# KiCad board LI-ION_Charger.kicad_pcb (continued)
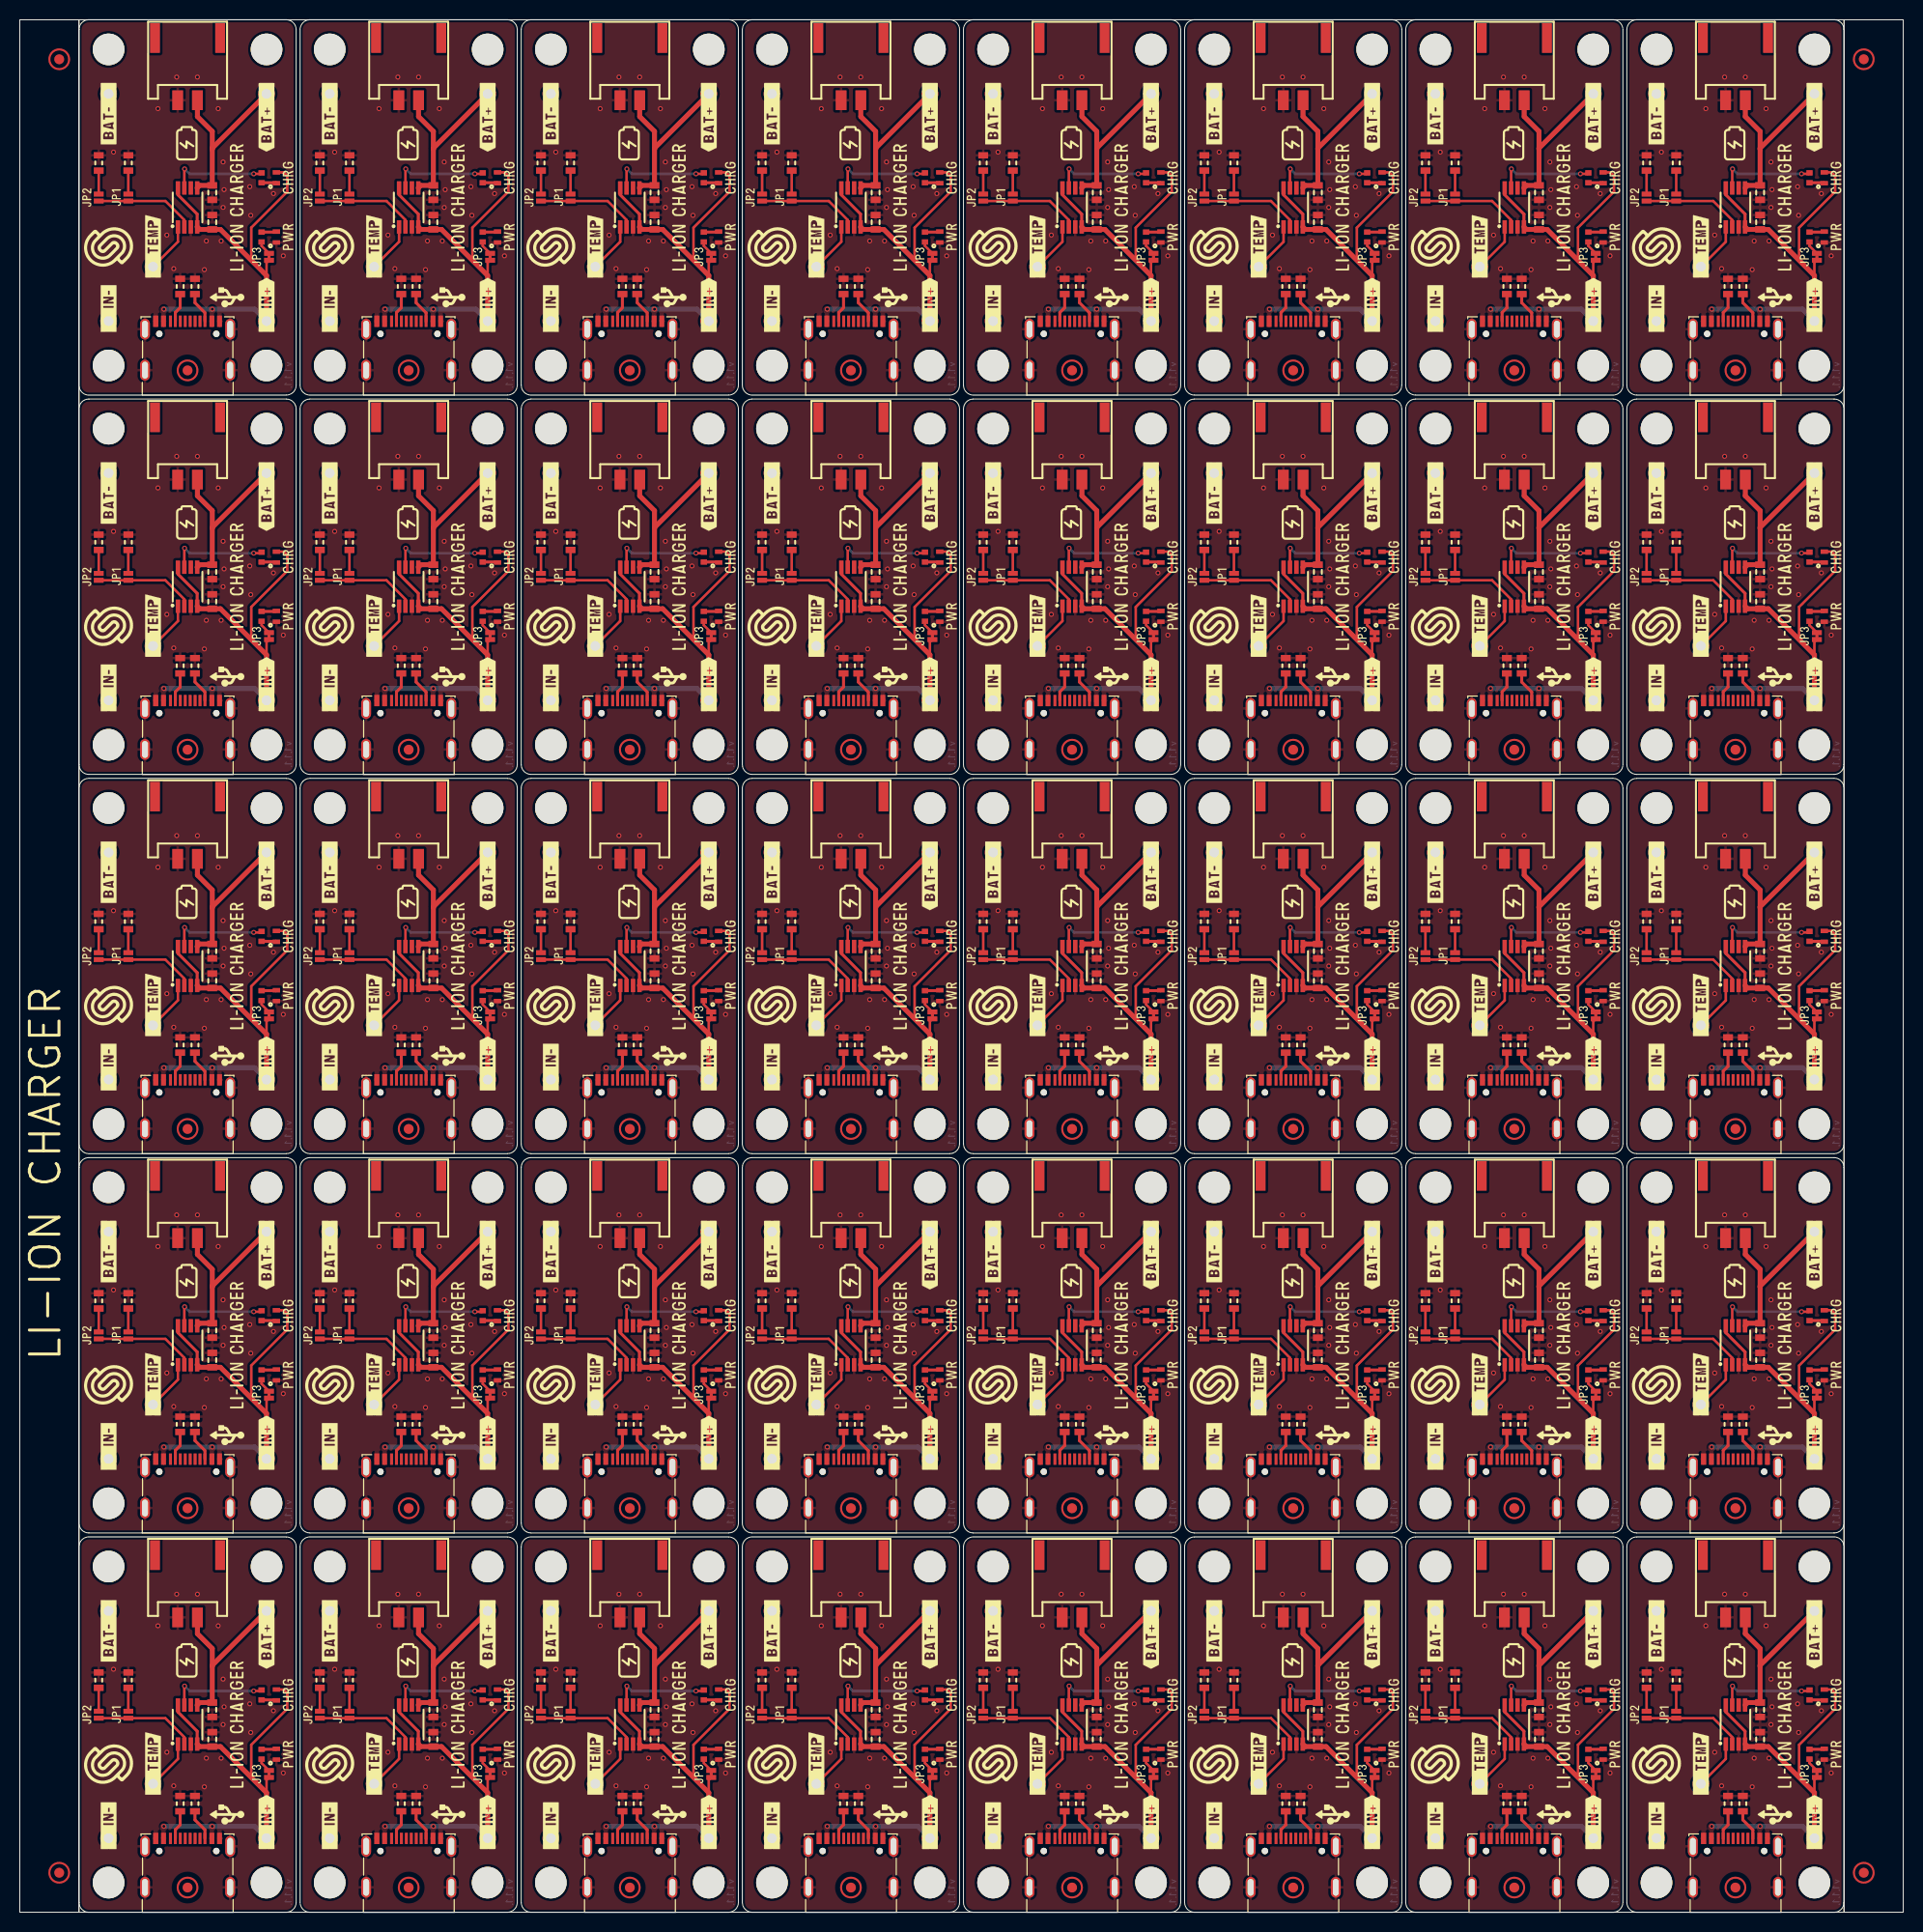
[diagram p0: board, top side]
## Placement (name value [footprint] x y rotation side) (continued)
NOREF#106  -  [buzzardLabel]  77 173.6 90 top
NOREF#107  -  [buzzardLabel]  170.3 49.9 90 top
NOREF#108  -  [buzzardLabel]  136 14 90 top
NOREF#109  -  [buzzardLabel]  156.4 57.4 90 top
NOREF#110  -  [buzzardLabel]  98.6 44.4 90 top
NOREF#111  -  [buzzardLabel]  54.6 20 90 top
NOREF#112  -  [buzzardLabel]  25 6 90 top
NOREF#113  -  [buzzardLabel]  25 82.8 90 top
NOREF#114  -  [buzzardLabel]  32.2 135.2 90 top
NOREF#115  -  [buzzardLabel]  72 131.2 90 top
NOREF#116  -  [buzzardLabel]  72 92.8 90 top
NOREF#117  -  [buzzardLabel]  27.2 175.6 90 top
NOREF#118  -  [buzzardLabel]  141.2 135.2 90 top
NOREF#119  -  [buzzardLabel]  113.6 90.8 90 top
NOREF#120  -  [buzzardLabel]  9 159.6 90 top
NOREF#121  -  [buzzardLabel]  141.2 20 90 top
NOREF#122  -  [buzzardLabel]  170.3 11.5 90 top
NOREF#123  -  [buzzardLabel]  121 6 90 top
NOREF#124  -  [buzzardLabel]  69.8 108.8 90 top
NOREF#125  -  [buzzardLabel]  139.2 54.4 90 top
NOREF#126  -  [buzzardLabel]  44.4 95.8 90 top
NOREF#127  -  [buzzardLabel]  103.1 49.9 90 top
NOREF#128  -  [buzzardLabel]  121 121.2 90 top
NOREF#129  -  [buzzardLabel]  32.2 20 90 top
NOREF#130  -  [buzzardLabel]  111.6 134.2 90 top
NOREF#131  -  [buzzardLabel]  53.8 44.4 90 top
NOREF#132  -  [buzzardLabel]  181.8 108.8 90 top
NOREF#133  -  [buzzardLabel]  9 185.6 90 top
NOREF#134  -  [buzzardLabel]  27.2 16 90 top
NOREF#135  -  [buzzardLabel]  116.8 22 90 top
NOREF#136  -  [buzzardLabel]  92.2 185.6 90 top
NOREF#137  -  [buzzardLabel]  31.4 147.2 90 top
NOREF#138  -  [buzzardLabel]  27.2 131.2 90 top
NOREF#139  -  [buzzardLabel]  161.6 60.4 90 top
NOREF#140  -  [buzzardLabel]  163.6 173.6 90 top
NOREF#141  -  [buzzardLabel]  156.4 172.6 90 top
NOREF#142  -  [buzzardLabel]  31.4 32 90 top
NOREF#143  -  [buzzardLabel]  89.2 57.4 90 top
NOREF#144  -  [buzzardLabel]  114.6 185.6 90 top
NOREF#145  -  [buzzardLabel]  116.8 60.4 90 top
NOREF#146  -  [buzzardLabel]  159.4 6 90 top
NOREF#147  -  [buzzardLabel]  22 134.2 90 top
NOREF#148  -  [buzzardLabel]  184 175.6 90 top
NOREF#149  -  [buzzardLabel]  53.8 121.2 90 top
NOREF#150  -  [buzzardLabel]  9 32 90 top
NOREF#151  -  [buzzardLabel]  54.6 135.2 90 top
NOREF#152  -  [buzzardLabel]  159.4 147.2 90 top
NOREF#153  -  [buzzardLabel]  51.6 96.8 90 top
NOREF#154  -  [buzzardLabel]  9 44.4 90 top
NOREF#155  -  [buzzardLabel]  143.4 82.8 90 top
NOREF#156  -  [buzzardLabel]  121 108.8 90 top
NOREF#157  -  [buzzardLabel]  25 185.6 90 top
NOREF#158  -  [buzzardLabel]  49.6 175.6 90 top
NOREF#159  -  [buzzardLabel]  92.2 32 90 top
NOREF#160  -  [buzzardLabel]  178.8 134.2 90 top
NOREF#161  -  [buzzardLabel]  99.4 96.8 90 top
NOREF#162  -  [buzzardLabel]  180.8 90.8 90 top
NOREF#163  -  [buzzardLabel]  143.4 32 90 top
NOREF#164  -  [buzzardLabel]  89.2 19 90 top
NOREF#165  -  [buzzardLabel]  118.8 173.6 90 top
NOREF#166  -  [buzzardLabel]  94.4 60.4 90 top
NOREF#167  -  [buzzardLabel]  143.4 6 90 top
NOREF#168  -  [buzzardLabel]  161.6 22 90 top
NOREF#169  -  [buzzardLabel]  161.6 175.6 90 top
NOREF#170  -  [buzzardLabel]  116.8 169.6 90 top
NOREF#171  -  [buzzardLabel]  121.8 96.8 90 top
NOREF#172  -  [buzzardLabel]  89.2 95.8 90 top
NOREF#173  -  [buzzardLabel]  121 32 90 top
NOREF#174  -  [buzzardLabel]  121.8 173.6 90 top
NOREF#175  -  [buzzardLabel]  54.6 58.4 90 top
NOREF#176  -  [buzzardLabel]  137 185.6 90 top
NOREF#177  -  [buzzardLabel]  111.6 57.4 90 top
NOREF#178  -  [buzzardLabel]  80.7 126.7 90 top
NOREF#179  -  [buzzardLabel]  29.2 58.4 90 top
NOREF#180  -  [buzzardLabel]  72 16 90 top
NOREF#181  -  [buzzardLabel]  159.4 185.6 90 top
NOREF#182  -  [buzzardLabel]  159.4 44.4 90 top
NOREF#183  -  [buzzardLabel]  76.2 147.2 90 top
NOREF#184  -  [buzzardLabel]  47.4 159.6 90 top
NOREF#185  -  [buzzardLabel]  69.8 147.2 90 top
NOREF#186  -  [buzzardLabel]  35.9 49.9 90 top
NOREF#187  -  [buzzardLabel]  116.8 98.8 90 top
NOREF#188  -  [buzzardLabel]  6.8 173.6 90 top
NOREF#189  -  [buzzardLabel]  181.8 147.2 90 top
NOREF#190  -  [buzzardLabel]  98.6 185.6 90 top
NOREF#191  -  [buzzardLabel]  46.4 52.4 90 top
NOREF#192  -  [buzzardLabel]  114.6 44.4 90 top
NOREF#193  -  [buzzardLabel]  76.2 121.2 90 top
NOREF#194  -  [buzzardLabel]  44.4 19 90 top
NOREF#195  -  [buzzardLabel]  54.6 96.8 90 top
NOREF#196  -  [buzzardLabel]  25 70.4 90 top
NOREF#197  -  [buzzardLabel]  74 173.6 90 top
NOREF#198  -  [buzzardLabel]  74 58.4 90 top
NOREF#199  -  [buzzardLabel]  9 70.4 90 top
NOREF#200  -  [buzzardLabel]  137 121.2 90 top
NOREF#201  -  [buzzardLabel]  134 172.6 90 top
NOREF#202  -  [buzzardLabel]  68.8 129.2 90 top
NOREF#203  -  [buzzardLabel]  137 44.4 90 top
NOREF#204  -  [buzzardLabel]  69.8 70.4 90 top
NOREF#205  -  [buzzardLabel]  72 60.4 90 top
NOREF#206  -  [buzzardLabel]  92.2 108.8 90 top
NOREF#207  -  [buzzardLabel]  184 137.2 90 top
NOREF#208  -  [buzzardLabel]  158.4 90.8 90 top
NOREF#209  -  [buzzardLabel]  51.6 173.6 90 top
NOREF#210  -  [buzzardLabel]  116.8 131.2 90 top
NOREF#211  -  [buzzardLabel]  137 32 90 top
NOREF#212  -  [buzzardLabel]  76.2 70.4 90 top
NOREF#213  -  [buzzardLabel]  94.4 175.6 90 top
NOREF#214  -  [buzzardLabel]  69.8 44.4 90 top
NOREF#215  -  [buzzardLabel]  24 90.8 90 top
NOREF#216  -  [buzzardLabel]  98.6 6 90 top
NOREF#217  -  [buzzardLabel]  181.8 185.6 90 top
NOREF#218  -  [buzzardLabel]  144.2 58.4 90 top
NOREF#219  -  [buzzardLabel]  66.8 95.8 90 top
NOREF#220  -  [buzzardLabel]  9.8 20 90 top
NOREF#221  -  [buzzardLabel]  77 20 90 top
NOREF#222  -  [buzzardLabel]  6.8 135.2 90 top
NOREF#223  -  [buzzardLabel]  99.4 135.2 90 top
NOREF#224  -  [buzzardLabel]  170.3 165.1 90 top
NOREF#225  -  [buzzardLabel]  180.8 52.4 90 top
NOREF#226  -  [buzzardLabel]  72 175.6 90 top
NOREF#227  -  [buzzardLabel]  178.8 172.6 90 top
NOREF#228  -  [buzzardLabel]  44.4 134.2 90 top
NOREF#229  -  [buzzardLabel]  46.4 129.2 90 top
NOREF#230  -  [buzzardLabel]  54.6 173.6 90 top
NOREF#231  -  [buzzardLabel]  98.6 82.8 90 top
NOREF#232  -  [buzzardLabel]  49.6 137.2 90 top
NOREF#233  -  [buzzardLabel]  114.6 147.2 90 top
NOREF#234  -  [buzzardLabel]  161.6 137.2 90 top
NOREF#235  -  [buzzardLabel]  24 129.2 90 top
NOREF#236  -  [buzzardLabel]  139.2 22 90 top
NOREF#237  -  [buzzardLabel]  143.4 121.2 90 top
NOREF#238  -  [buzzardLabel]  31.4 82.8 90 top
NOREF#239  -  [buzzardLabel]  27.2 22 90 top
NOREF#240  -  [buzzardLabel]  92.2 121.2 90 top
NOREF#241  -  [buzzardLabel]  163.6 20 90 top
NOREF#242  -  [buzzardLabel]  27.2 137.2 90 top
NOREF#243  -  [buzzardLabel]  184 60.4 90 top
NOREF#244  -  [buzzardLabel]  125.5 49.9 90 top
NOREF#245  -  [buzzardLabel]  47.4 121.2 90 top
NOREF#246  -  [buzzardLabel]  47.4 6 90 top
NOREF#247  -  [buzzardLabel]  111.6 172.6 90 top
NOREF#248  -  [buzzardLabel]  98.6 32 90 top
NOREF#249  -  [buzzardLabel]  9.8 58.4 90 top
NOREF#250  -  [buzzardLabel]  94.4 131.2 90 top
NOREF#251  -  [buzzardLabel]  31.4 70.4 90 top
NOREF#252  -  [buzzardLabel]  9.8 135.2 90 top
NOREF#253  -  [buzzardLabel]  121 44.4 90 top
NOREF#254  -  [buzzardLabel]  66.8 57.4 90 top
NOREF#255  -  [buzzardLabel]  165.8 6 90 top
NOREF#256  -  [buzzardLabel]  103.1 165.1 90 top
NOREF#257  -  [buzzardLabel]  25 121.2 90 top
NOREF#258  -  [buzzardLabel]  125.5 11.5 90 top
NOREF#259  -  [buzzardLabel]  114.6 32 90 top
NOREF#260  -  [buzzardLabel]  116.8 54.4 90 top
NOREF#261  -  [buzzardLabel]  27.2 169.6 90 top
NOREF#262  -  [buzzardLabel]  53.8 108.8 90 top
NOREF#263  -  [buzzardLabel]  74 96.8 90 top
NOREF#264  -  [buzzardLabel]  116.8 175.6 90 top
NOREF#265  -  [buzzardLabel]  137 147.2 90 top
NOREF#266  -  [buzzardLabel]  158.4 14 90 top
NOREF#267  -  [buzzardLabel]  159.4 70.4 90 top
NOREF#268  -  [buzzardLabel]  58.3 11.5 90 top
NOREF#269  -  [buzzardLabel]  165.8 32 90 top
NOREF#270  -  [buzzardLabel]  76.2 82.8 90 top
NOREF#271  -  [buzzardLabel]  69.8 82.8 90 top
NOREF#272  -  [buzzardLabel]  181.8 44.4 90 top
NOREF#273  -  [buzzardLabel]  91.2 52.4 90 top
NOREF#274  -  [buzzardLabel]  72 137.2 90 top
NOREF#275  -  [buzzardLabel]  76.2 32 90 top
NOREF#276  -  [buzzardLabel]  134 19 90 top
NOREF#277  -  [buzzardLabel]  99.4 173.6 90 top
NOREF#278  -  [buzzardLabel]  9 6 90 top
NOREF#279  -  [buzzardLabel]  156.4 19 90 top
NOREF#280  -  [buzzardLabel]  121.8 135.2 90 top
NOREF#281  -  [buzzardLabel]  94.4 22 90 top
NOREF#282  -  [buzzardLabel]  137 159.6 90 top
NOREF#283  -  [buzzardLabel]  184 54.4 90 top
NOREF#284  -  [buzzardLabel]  184 92.8 90 top
NOREF#285  -  [buzzardLabel]  31.4 159.6 90 top
NOREF#286  -  [buzzardLabel]  91.2 14 90 top
NOREF#287  -  [buzzardLabel]  125.5 165.1 90 top
NOREF#288  -  [buzzardLabel]  99.4 58.4 90 top
NOREF#289  -  [buzzardLabel]  181.8 6 90 top
NOREF#290  -  [buzzardLabel]  68.8 52.4 90 top
NOREF#291  -  [buzzardLabel]  92.2 82.8 90 top
NOREF#292  -  [buzzardLabel]  111.6 19 90 top
NOREF#293  -  [buzzardLabel]  13.5 126.7 90 top
NOREF#294  -  [buzzardLabel]  25 147.2 90 top
NOREF#295  -  [buzzardLabel]  96.4 173.6 90 top
NOREF#296  -  [buzzardLabel]  94.4 16 90 top
NOREF#297  -  [buzzardLabel]  94.4 54.4 90 top
NOREF#298  -  [buzzardLabel]  137 6 90 top
NOREF#299  -  [buzzardLabel]  49.6 92.8 90 top
NOREF#300  -  [buzzardLabel]  170.3 126.7 90 top
NOREF#301  -  [buzzardLabel]  137 70.4 90 top
NOREF#302  -  [buzzardLabel]  113.6 14 90 top
NOREF#303  -  [buzzardLabel]  51.6 20 90 top
NOREF#304  -  [buzzardLabel]  13.5 49.9 90 top
NOREF#305  -  [buzzardLabel]  53.8 6 90 top
NOREF#306  -  [buzzardLabel]  46.4 90.8 90 top
NOREF#307  -  [buzzardLabel]  170.3 88.3 90 top
NOREF#308  -  [buzzardLabel]  29.2 20 90 top
NOREF#309  -  [buzzardLabel]  53.8 147.2 90 top
NOREF#310  -  [buzzardLabel]  181.8 70.4 90 top
NOREF#311  -  [buzzardLabel]  184 22 90 top
NOREF#312  -  [buzzardLabel]  99.4 20 90 top
NOREF#313  -  [buzzardLabel]  156.4 134.2 90 top
NOREF#314  -  [buzzardLabel]  143.4 147.2 90 top
NOREF#315  -  [buzzardLabel]  136 90.8 90 top
NOREF#316  -  [buzzardLabel]  158.4 167.6 90 top
NOREF#317  -  [buzzardLabel]  139.2 137.2 90 top
NOREF#318  -  [buzzardLabel]  24 167.6 90 top
NOREF#319  -  [buzzardLabel]  114.6 82.8 90 top
NOREF#320  -  [buzzardLabel]  49.6 60.4 90 top
NOREF#321  -  [buzzardLabel]  141.2 58.4 90 top
NOREF#322  -  [buzzardLabel]  69.8 121.2 90 top
NOREF#323  -  [buzzardLabel]  76.2 6 90 top
NOREF#324  -  [buzzardLabel]  72 22 90 top
NOREF#325  -  [buzzardLabel]  76.2 185.6 90 top
NOREF#326  -  [buzzardLabel]  165.8 108.8 90 top
NOREF#327  -  [buzzardLabel]  114.6 70.4 90 top
NOREF#328  -  [buzzardLabel]  46.4 14 90 top
NOREF#329  -  [buzzardLabel]  51.6 58.4 90 top
NOREF#330  -  [buzzardLabel]  121 159.6 90 top
NOREF#331  -  [buzzardLabel]  180.8 14 90 top
NOREF#332  -  [buzzardLabel]  125.5 126.7 90 top
NOREF#333  -  [buzzardLabel]  74 20 90 top
NOREF#334  -  [buzzardLabel]  103.1 88.3 90 top
NOREF#335  -  [buzzardLabel]  165.8 44.4 90 top
NOREF#336  -  [buzzardLabel]  134 134.2 90 top
NOREF#337  -  [buzzardLabel]  121 82.8 90 top
NOREF#338  -  [buzzardLabel]  91.2 129.2 90 top
NOREF#339  -  [buzzardLabel]  114.6 121.2 90 top
NOREF#340  -  [buzzardLabel]  121.8 58.4 90 top
NOREF#341  -  [buzzardLabel]  113.6 129.2 90 top
NOREF#342  -  [buzzardLabel]  165.8 121.2 90 top
NOREF#343  -  [buzzardLabel]  113.6 167.6 90 top
NOREF#344  -  [buzzardLabel]  47.4 70.4 90 top
NOREF#345  -  [buzzardLabel]  180.8 129.2 90 top
NOREF#346  -  [buzzardLabel]  77 58.4 90 top
NOREF#347  -  [buzzardLabel]  181.8 159.6 90 top
NOREF#348  -  [buzzardLabel]  147.9 11.5 90 top
NOREF#349  -  [buzzardLabel]  31.4 6 90 top
NOREF#350  -  [buzzardLabel]  165.8 147.2 90 top
NOREF#351  -  [buzzardLabel]  13.5 88.3 90 top
NOREF#352  -  [buzzardLabel]  184 131.2 90 top
NOREF#353  -  [buzzardLabel]  13.5 165.1 90 top
NOREF#354  -  [buzzardLabel]  89.2 134.2 90 top
NOREF#355  -  [buzzardLabel]  9.8 96.8 90 top
NOREF#356  -  [buzzardLabel]  166.6 173.6 90 top
NOREF#357  -  [buzzardLabel]  147.9 165.1 90 top
NOREF#358  -  [buzzardLabel]  181.8 32 90 top
NOREF#359  -  [buzzardLabel]  35.9 126.7 90 top
NOREF#360  -  [buzzardLabel]  161.6 54.4 90 top
NOREF#361  -  [buzzardLabel]  143.4 108.8 90 top
NOREF#362  -  [buzzardLabel]  13.5 11.5 90 top
NOREF#363  -  [buzzardLabel]  139.2 169.6 90 top
NOREF#364  -  [buzzardLabel]  178.8 19 90 top
NOREF#365  -  [buzzardLabel]  69.8 159.6 90 top
NOREF#366  -  [buzzardLabel]  77 96.8 90 top
NOREF#367  -  [buzzardLabel]  80.7 165.1 90 top
NOREF#368  -  [buzzardLabel]  114.6 159.6 90 top
NOREF#369  -  [buzzardLabel]  103.1 126.7 90 top
NOREF#370  -  [buzzardLabel]  121 185.6 90 top
NOREF#371  -  [buzzardLabel]  44.4 57.4 90 top
NOREF#372  -  [buzzardLabel]  165.8 70.4 90 top
NOREF#373  -  [buzzardLabel]  121 70.4 90 top
NOREF#374  -  [buzzardLabel]  156.4 95.8 90 top
NOREF#375  -  [buzzardLabel]  116.8 16 90 top
NOREF#376  -  [buzzardLabel]  118.8 20 90 top
NOREF#377  -  [buzzardLabel]  80.7 11.5 90 top
NOREF#378  -  [buzzardLabel]  53.8 70.4 90 top
NOREF#379  -  [buzzardLabel]  76.2 44.4 90 top
NOREF#380  -  [buzzardLabel]  139.2 175.6 90 top
NOREF#381  -  [buzzardLabel]  121.8 20 90 top
NOREF#382  -  [buzzardLabel]  76.2 108.8 90 top
NOREF#383  -  [buzzardLabel]  144.2 135.2 90 top
NOREF#384  -  [buzzardLabel]  113.6 52.4 90 top
NOREF#385  -  [buzzardLabel]  143.4 159.6 90 top
NOREF#386  -  [buzzardLabel]  161.6 131.2 90 top
NOREF#387  -  [buzzardLabel]  35.9 88.3 90 top
NOREF#388  -  [buzzardLabel]  114.6 6 90 top
NOREF#389  -  [buzzardLabel]  103.1 11.5 90 top
NOREF#390  -  [buzzardLabel]  47.4 185.6 90 top
NOREF#391  -  [buzzardLabel]  125.5 88.3 90 top
NOREF#392  -  [buzzardLabel]  80.7 88.3 90 top
NOREF#393  -  [buzzardLabel]  66.8 134.2 90 top
NOREF#394  -  [buzzardLabel]  163.6 58.4 90 top
NOREF#395  -  [buzzardLabel]  144.2 96.8 90 top
NOREF#396  -  [buzzardLabel]  166.6 96.8 90 top
NOREF#397  -  [buzzardLabel]  134 57.4 90 top
NOREF#398  -  [buzzardLabel]  72 98.8 90 top
NOREF#399  -  [buzzardLabel]  98.6 159.6 90 top
NOREF#400  -  [buzzardLabel]  9 121.2 90 top
NOREF#401  -  [buzzardLabel]  144.2 20 90 top
NOREF#402  -  [buzzardLabel]  94.4 92.8 90 top
NOREF#403  -  [buzzardLabel]  72 169.6 90 top
NOREF#404  -  [buzzardLabel]  47.4 147.2 90 top
NOREF#405  -  [buzzardLabel]  9 108.8 90 top
NOREF#406  -  [buzzardLabel]  53.8 159.6 90 top
NOREF#407  -  [buzzardLabel]  68.8 167.6 90 top
NOREF#408  -  [buzzardLabel]  139.2 98.8 90 top
NOREF#409  -  [buzzardLabel]  118.8 96.8 90 top
NOREF#410  -  [buzzardLabel]  118.8 135.2 90 top
NOREF#411  -  [buzzardLabel]  98.6 108.8 90 top
NOREF#412  -  [buzzardLabel]  9 82.8 90 top
NOREF#413  -  [buzzardLabel]  94.4 137.2 90 top
NOREF#414  -  [buzzardLabel]  159.4 159.6 90 top
NOREF#415  -  [buzzardLabel]  134 95.8 90 top
NOREF#416  -  [buzzardLabel]  49.6 131.2 90 top
NOREF#417  -  [buzzardLabel]  184 169.6 90 top
NOREF#418  -  [buzzardLabel]  147.9 88.3 90 top
NOREF#419  -  [buzzardLabel]  47.4 32 90 top
NOREF#420  -  [buzzardLabel]  47.4 82.8 90 top
NOREF#421  -  [buzzardLabel]  159.4 121.2 90 top
NOREF#422  -  [buzzardLabel]  68.8 14 90 top
NOREF#423  -  [buzzardLabel]  9 147.2 90 top
NOREF#424  -  [buzzardLabel]  159.4 82.8 90 top
NOREF#425  -  [buzzardLabel]  163.6 135.2 90 top
NOREF#426  -  [buzzardLabel]  137 82.8 90 top
NOREF#427  -  [buzzardLabel]  31.4 185.6 90 top
NOREF#428  -  [buzzardLabel]  6.8 20 90 top
NOREF#429  -  [buzzardLabel]  165.8 82.8 90 top
NOREF#430  -  [buzzardLabel]  89.2 172.6 90 top
NOREF#431  -  [buzzardLabel]  91.2 90.8 90 top
NOREF#432  -  [buzzardLabel]  143.4 70.4 90 top
NOREF#433  -  [buzzardLabel]  94.4 169.6 90 top
NOREF#434  -  [buzzardLabel]  163.6 96.8 90 top
NOREF#435  -  [buzzardLabel]  69.8 32 90 top
NOREF#436  -  [buzzardLabel]  143.4 44.4 90 top
NOREF#437  -  [buzzardLabel]  98.6 121.2 90 top
NOREF#438  -  [buzzardLabel]  49.6 16 90 top
NOREF#439  -  [buzzardLabel]  27.2 92.8 90 top
NOREF#440  -  [buzzardLabel]  92.2 6 90 top
R1  5.1k  [0603R]  40.15 87.8 90 top
R1#2  5.1k  [0603R]  84.95 126.2 90 top
R1#3  5.1k  [0603R]  129.75 126.2 90 top
R1#4  5.1k  [0603R]  40.15 164.6 90 top
R1#5  5.1k  [0603R]  62.55 126.2 90 top
R1#6  5.1k  [0603R]  17.75 87.8 90 top
R1#7  5.1k  [0603R]  129.75 87.8 90 top
R1#8  5.1k  [0603R]  107.35 49.4 90 top
R1#9  5.1k  [0603R]  107.35 164.6 90 top
R1#10  5.1k  [0603R]  129.75 11 90 top
R1#11  5.1k  [0603R]  174.55 49.4 90 top
R1#12  5.1k  [0603R]  129.75 164.6 90 top
R1#13  5.1k  [0603R]  174.55 126.2 90 top
R1#14  5.1k  [0603R]  152.15 126.2 90 top
R1#15  5.1k  [0603R]  84.95 87.8 90 top
R1#16  5.1k  [0603R]  84.95 49.4 90 top
R1#17  5.1k  [0603R]  107.35 87.8 90 top
R1#18  5.1k  [0603R]  107.35 11 90 top
R1#19  5.1k  [0603R]  174.55 11 90 top
R1#20  5.1k  [0603R]  152.15 11 90 top
R1#21  5.1k  [0603R]  17.75 49.4 90 top
R1#22  5.1k  [0603R]  152.15 164.6 90 top
R1#23  5.1k  [0603R]  40.15 11 90 top
R1#24  5.1k  [0603R]  40.15 49.4 90 top
R1#25  5.1k  [0603R]  62.55 49.4 90 top
R1#26  5.1k  [0603R]  84.95 164.6 90 top
R1#27  5.1k  [0603R]  84.95 11 90 top
R1#28  5.1k  [0603R]  17.75 126.2 90 top
R1#29  5.1k  [0603R]  62.55 11 90 top
R1#30  5.1k  [0603R]  152.15 49.4 90 top
R1#31  5.1k  [0603R]  40.15 126.2 90 top
R1#32  5.1k  [0603R]  129.75 49.4 90 top
R1#33  5.1k  [0603R]  152.15 87.8 90 top
R1#34  5.1k  [0603R]  174.55 87.8 90 top
R1#35  5.1k  [0603R]  107.35 126.2 90 top
R1#36  5.1k  [0603R]  17.75 11 90 top
R1#37  5.1k  [0603R]  17.75 164.6 90 top
R1#38  5.1k  [0603R]  62.55 87.8 90 top
R1#39  5.1k  [0603R]  62.55 164.6 90 top
R1#40  5.1k  [0603R]  174.55 164.6 90 top
R2  5.1k  [0603R]  105.85 11 90 top
R2#2  5.1k  [0603R]  105.85 126.2 90 top
R2#3  5.1k  [0603R]  150.65 49.4 90 top
R2#4  5.1k  [0603R]  173.05 49.4 90 top
R2#5  5.1k  [0603R]  128.25 87.8 90 top
R2#6  5.1k  [0603R]  128.25 49.4 90 top
R2#7  5.1k  [0603R]  128.25 164.6 90 top
R2#8  5.1k  [0603R]  16.25 164.6 90 top
R2#9  5.1k  [0603R]  150.65 126.2 90 top
R2#10  5.1k  [0603R]  83.45 11 90 top
R2#11  5.1k  [0603R]  16.25 126.2 90 top
R2#12  5.1k  [0603R]  128.25 126.2 90 top
R2#13  5.1k  [0603R]  61.05 49.4 90 top
R2#14  5.1k  [0603R]  61.05 126.2 90 top
R2#15  5.1k  [0603R]  173.05 11 90 top
R2#16  5.1k  [0603R]  61.05 11 90 top
R2#17  5.1k  [0603R]  83.45 87.8 90 top
R2#18  5.1k  [0603R]  173.05 87.8 90 top
R2#19  5.1k  [0603R]  150.65 11 90 top
R2#20  5.1k  [0603R]  16.25 49.4 90 top
R2#21  5.1k  [0603R]  173.05 164.6 90 top
R2#22  5.1k  [0603R]  38.65 126.2 90 top
R2#23  5.1k  [0603R]  38.65 164.6 90 top
R2#24  5.1k  [0603R]  150.65 87.8 90 top
R2#25  5.1k  [0603R]  150.65 164.6 90 top
R2#26  5.1k  [0603R]  16.25 87.8 90 top
R2#27  5.1k  [0603R]  83.45 49.4 90 top
R2#28  5.1k  [0603R]  105.85 49.4 90 top
R2#29  5.1k  [0603R]  61.05 164.6 90 top
R2#30  5.1k  [0603R]  173.05 126.2 90 top
R2#31  5.1k  [0603R]  105.85 87.8 90 top
R2#32  5.1k  [0603R]  38.65 49.4 90 top
R2#33  5.1k  [0603R]  83.45 164.6 90 top
R2#34  5.1k  [0603R]  16.25 11 90 top
R2#35  5.1k  [0603R]  61.05 87.8 90 top
R2#36  5.1k  [0603R]  105.85 164.6 90 top
R2#37  5.1k  [0603R]  83.45 126.2 90 top
R2#38  5.1k  [0603R]  128.25 11 90 top
R2#39  5.1k  [0603R]  38.65 11 90 top
R2#40  5.1k  [0603R]  38.65 87.8 90 top
R3  4.7k  [0603R]  33.4 61.9 270 top
R3#2  4.7k  [0603R]  78.2 100.3 270 top
R3#3  4.7k  [0603R]  167.8 61.9 270 top
R3#4  4.7k  [0603R]  78.2 138.7 270 top
R3#5  4.7k  [0603R]  11 138.7 270 top
R3#6  4.7k  [0603R]  11 177.1 270 top
R3#7  4.7k  [0603R]  123 138.7 270 top
R3#8  4.7k  [0603R]  11 100.3 270 top
R3#9  4.7k  [0603R]  55.8 61.9 270 top
R3#10  4.7k  [0603R]  78.2 23.5 270 top
R3#11  4.7k  [0603R]  55.8 138.7 270 top
R3#12  4.7k  [0603R]  145.4 61.9 270 top
R3#13  4.7k  [0603R]  100.6 138.7 270 top
R3#14  4.7k  [0603R]  78.2 177.1 270 top
R3#15  4.7k  [0603R]  55.8 100.3 270 top
R3#16  4.7k  [0603R]  167.8 100.3 270 top
R3#17  4.7k  [0603R]  33.4 100.3 270 top
R3#18  4.7k  [0603R]  167.8 23.5 270 top
R3#19  4.7k  [0603R]  11 61.9 270 top
R3#20  4.7k  [0603R]  78.2 61.9 270 top
R3#21  4.7k  [0603R]  145.4 23.5 270 top
R3#22  4.7k  [0603R]  55.8 23.5 270 top
R3#23  4.7k  [0603R]  145.4 138.7 270 top
R3#24  4.7k  [0603R]  33.4 138.7 270 top
R3#25  4.7k  [0603R]  145.4 100.3 270 top
R3#26  4.7k  [0603R]  100.6 23.5 270 top
R3#27  4.7k  [0603R]  33.4 177.1 270 top
R3#28  4.7k  [0603R]  100.6 61.9 270 top
R3#29  4.7k  [0603R]  123 100.3 270 top
R3#30  4.7k  [0603R]  11 23.5 270 top
R3#31  4.7k  [0603R]  33.4 23.5 270 top
R3#32  4.7k  [0603R]  123 61.9 270 top
R3#33  4.7k  [0603R]  100.6 177.1 270 top
R3#34  4.7k  [0603R]  123 23.5 270 top
R3#35  4.7k  [0603R]  167.8 138.7 270 top
R3#36  4.7k  [0603R]  100.6 100.3 270 top
R3#37  4.7k  [0603R]  167.8 177.1 270 top
R3#38  4.7k  [0603R]  55.8 177.1 270 top
R3#39  4.7k  [0603R]  123 177.1 270 top
R3#40  4.7k  [0603R]  145.4 177.1 270 top
R4  2k49  [0603R]  75.2 177.1 270 top
R4#2  2k49  [0603R]  142.4 138.7 270 top
R4#3  2k49  [0603R]  8 100.3 270 top
R4#4  2k49  [0603R]  164.8 138.7 270 top
R4#5  2k49  [0603R]  8 177.1 270 top
R4#6  2k49  [0603R]  30.4 177.1 270 top
R4#7  2k49  [0603R]  164.8 177.1 270 top
R4#8  2k49  [0603R]  30.4 138.7 270 top
R4#9  2k49  [0603R]  97.6 177.1 270 top
R4#10  2k49  [0603R]  75.2 61.9 270 top
R4#11  2k49  [0603R]  142.4 100.3 270 top
R4#12  2k49  [0603R]  164.8 61.9 270 top
R4#13  2k49  [0603R]  8 23.5 270 top
R4#14  2k49  [0603R]  75.2 23.5 270 top
R4#15  2k49  [0603R]  120 23.5 270 top
R4#16  2k49  [0603R]  75.2 100.3 270 top
R4#17  2k49  [0603R]  164.8 23.5 270 top
R4#18  2k49  [0603R]  52.8 138.7 270 top
R4#19  2k49  [0603R]  8 61.9 270 top
R4#20  2k49  [0603R]  120 100.3 270 top
R4#21  2k49  [0603R]  52.8 61.9 270 top
R4#22  2k49  [0603R]  120 177.1 270 top
R4#23  2k49  [0603R]  30.4 23.5 270 top
R4#24  2k49  [0603R]  120 138.7 270 top
R4#25  2k49  [0603R]  30.4 100.3 270 top
R4#26  2k49  [0603R]  142.4 61.9 270 top
R4#27  2k49  [0603R]  97.6 23.5 270 top
R4#28  2k49  [0603R]  97.6 100.3 270 top
R4#29  2k49  [0603R]  142.4 23.5 270 top
R4#30  2k49  [0603R]  52.8 23.5 270 top
R4#31  2k49  [0603R]  52.8 100.3 270 top
R4#32  2k49  [0603R]  120 61.9 270 top
R4#33  2k49  [0603R]  142.4 177.1 270 top
R4#34  2k49  [0603R]  97.6 138.7 270 top
R4#35  2k49  [0603R]  8 138.7 270 top
R4#36  2k49  [0603R]  30.4 61.9 270 top
R4#37  2k49  [0603R]  97.6 61.9 270 top
R4#38  2k49  [0603R]  164.8 100.3 270 top
R4#39  2k49  [0603R]  75.2 138.7 270 top
R4#40  2k49  [0603R]  52.8 177.1 270 top
R5  2k2  [0402R]  69.3 98.8 270 top
R5#2  2k2  [0402R]  136.5 175.6 270 top
R5#3  2k2  [0402R]  24.5 22 270 top
R5#4  2k2  [0402R]  158.9 22 270 top
R5#5  2k2  [0402R]  181.3 175.6 270 top
R5#6  2k2  [0402R]  24.5 137.2 270 top
R5#7  2k2  [0402R]  91.7 22 270 top
R5#8  2k2  [0402R]  114.1 22 270 top
R5#9  2k2  [0402R]  91.7 137.2 270 top
R5#10  2k2  [0402R]  136.5 137.2 270 top
R5#11  2k2  [0402R]  24.5 60.4 270 top
R5#12  2k2  [0402R]  69.3 60.4 270 top
R5#13  2k2  [0402R]  114.1 98.8 270 top
R5#14  2k2  [0402R]  158.9 60.4 270 top
R5#15  2k2  [0402R]  46.9 98.8 270 top
R5#16  2k2  [0402R]  24.5 98.8 270 top
R5#17  2k2  [0402R]  158.9 137.2 270 top
R5#18  2k2  [0402R]  69.3 175.6 270 top
R5#19  2k2  [0402R]  181.3 98.8 270 top
R5#20  2k2  [0402R]  91.7 175.6 270 top
R5#21  2k2  [0402R]  158.9 175.6 270 top
R5#22  2k2  [0402R]  46.9 60.4 270 top
R5#23  2k2  [0402R]  91.7 60.4 270 top
R5#24  2k2  [0402R]  69.3 137.2 270 top
R5#25  2k2  [0402R]  114.1 60.4 270 top
R5#26  2k2  [0402R]  181.3 22 270 top
R5#27  2k2  [0402R]  181.3 137.2 270 top
R5#28  2k2  [0402R]  91.7 98.8 270 top
R5#29  2k2  [0402R]  181.3 60.4 270 top
R5#30  2k2  [0402R]  114.1 137.2 270 top
R5#31  2k2  [0402R]  69.3 22 270 top
R5#32  2k2  [0402R]  46.9 175.6 270 top
R5#33  2k2  [0402R]  46.9 137.2 270 top
R5#34  2k2  [0402R]  46.9 22 270 top
R5#35  2k2  [0402R]  136.5 98.8 270 top
R5#36  2k2  [0402R]  114.1 175.6 270 top
R5#37  2k2  [0402R]  136.5 60.4 270 top
R5#38  2k2  [0402R]  136.5 22 270 top
R5#39  2k2  [0402R]  158.9 98.8 270 top
R5#40  2k2  [0402R]  24.5 175.6 270 top
R6  2k2  [0402R]  114.1 54.4 90 top
R6#2  2k2  [0402R]  136.5 169.6 90 top
R6#3  2k2  [0402R]  91.7 131.2 90 top
R6#4  2k2  [0402R]  46.9 92.8 90 top
R6#5  2k2  [0402R]  91.7 92.8 90 top
R6#6  2k2  [0402R]  136.5 54.4 90 top
R6#7  2k2  [0402R]  136.5 92.8 90 top
R6#8  2k2  [0402R]  24.5 92.8 90 top
R6#9  2k2  [0402R]  158.9 16 90 top
R6#10  2k2  [0402R]  181.3 16 90 top
R6#11  2k2  [0402R]  46.9 16 90 top
R6#12  2k2  [0402R]  69.3 16 90 top
R6#13  2k2  [0402R]  24.5 54.4 90 top
R6#14  2k2  [0402R]  24.5 16 90 top
R6#15  2k2  [0402R]  91.7 169.6 90 top
R6#16  2k2  [0402R]  69.3 92.8 90 top
R6#17  2k2  [0402R]  46.9 131.2 90 top
R6#18  2k2  [0402R]  158.9 131.2 90 top
R6#19  2k2  [0402R]  114.1 16 90 top
R6#20  2k2  [0402R]  69.3 169.6 90 top
R6#21  2k2  [0402R]  181.3 169.6 90 top
R6#22  2k2  [0402R]  136.5 131.2 90 top
R6#23  2k2  [0402R]  46.9 169.6 90 top
R6#24  2k2  [0402R]  69.3 54.4 90 top
R6#25  2k2  [0402R]  158.9 92.8 90 top
R6#26  2k2  [0402R]  136.5 16 90 top